# KiCad board UniversalTKL.kicad_pcb
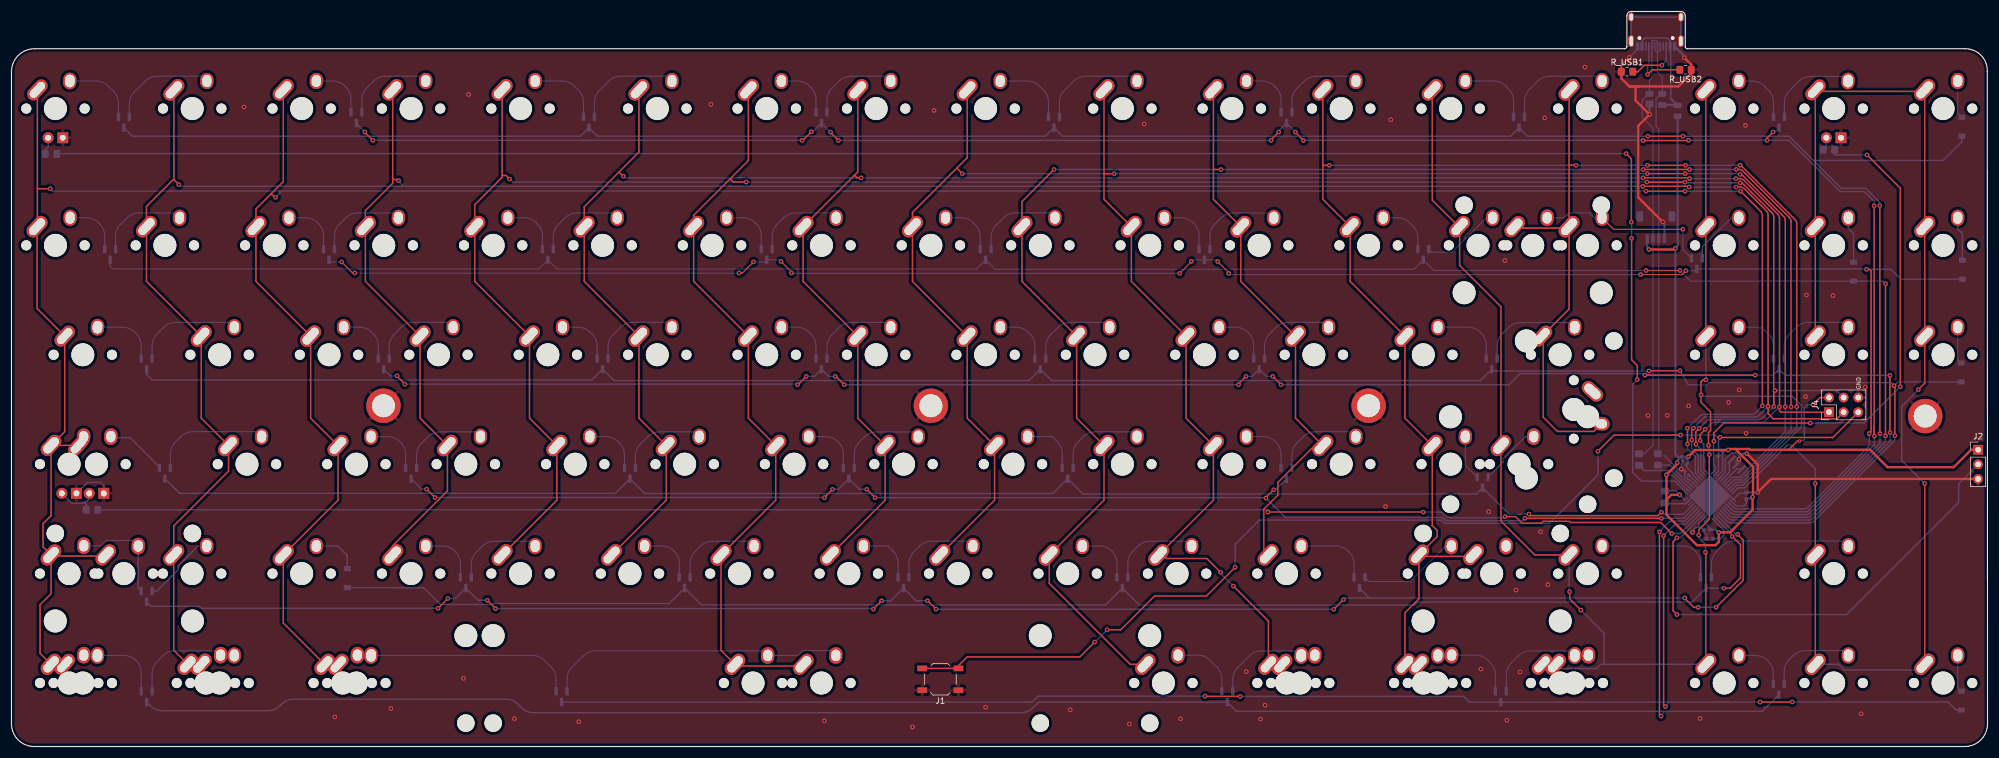
[diagram p0: board, top side]
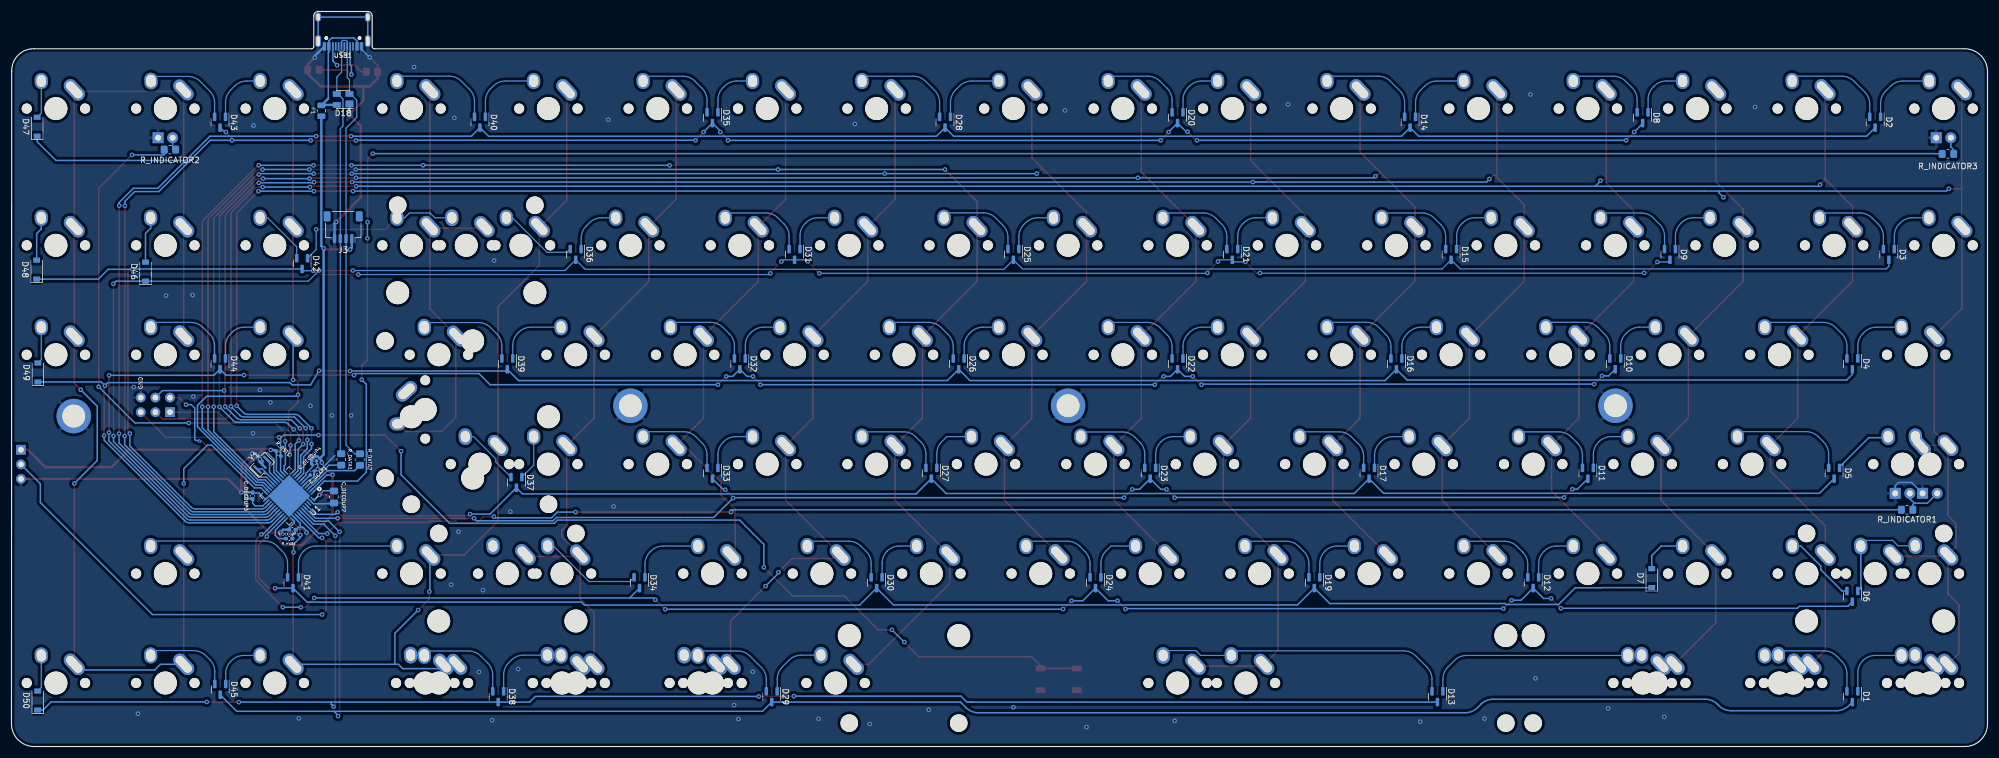
[diagram p1: board, bottom side, seen from below]

Outline 344 x 127.97 mm; copper layers: Top, Bottom. Coordinates in mm from the lower left corner of the outline.
Outline path: 281.21,127.21 arc(281.44,127.75) 281.97,127.97 290.61,127.97 ; 281.21,127.21 281.21,121.86 arc(281.1,121.6) 280.83,121.48 4.09,121.48 arc(1.17,120.31) 0,117.39 0,3.96 arc(1.17,1.15) 4,0 340,0 arc(342.83,1.15) 344,3.96 343.96,117.53 arc(342.84,120.37) 340,121.48 291.75,121.48 arc(291.48,121.6) 291.37,121.86 291.37,127.21 arc(291.15,127.75) 290.61,127.97
Stack: Top 0.035mm / dielectric 1.51mm FR4 er 4.5 / Bottom 0.035mm

## Placement (name value [footprint] x y rotation side)
C_DECOUP1  .1u  [C_0402_1005Metric_Pad0.74x0.62mm_HandSolder]  295.1 37.75 180 bottom
C_DECOUP2  .1u  [C_0805_2012Metric_Pad1.18x1.45mm_HandSolder]  287.86 43.44 270 bottom
C_DECOUP3  .1u  [C_0402_1005Metric_Pad0.74x0.62mm_HandSolder]  302.01 43.64 90 bottom
C_DECOUP4  10u  [C_0402_1005Metric]  291.25 49.39 135 bottom
C_UCAP1  1u  [C_0402_1005Metric]  291.64 47.6 135 bottom
D1  BAV70_Small  [SOT-23]  23.53 8.68 270 bottom
D2  BAV70_Small  [SOT-23]  19.56 108.69 270 bottom
D3  BAV70_Small  [SOT-23]  17.18 85.67 270 bottom
D4  BAV70_Small  [SOT-23]  23.53 66.62 270 bottom
D5  BAV70_Small  [SOT-23]  26.7 47.57 270 bottom
D6  BAV70_Small  [SOT-23]  23.53 26.14 270 bottom
D7  D_Small  [D_SOD-123]  58.45 29.31 90 bottom
D8  BAV70_Small  [SOT-23]  60.04 109.48 270 bottom
D9  BAV70_Small  [SOT-23]  55.28 85.67 270 bottom
D10  BAV70_Small  [SOT-23]  64.8 66.62 270 bottom
D11  BAV70_Small  [SOT-23]  69.57 47.57 270 bottom
D12  BAV70_Small  [SOT-23]  79.09 28.52 270 bottom
D13  BAV70_Small  [SOT-23]  95.76 8.68 270 bottom
D14  BAV70_Small  [SOT-23]  100.52 108.69 270 bottom
D15  BAV70_Small  [SOT-23]  93.38 85.67 270 bottom
D16  BAV70_Small  [SOT-23]  102.9 66.62 270 bottom
D17  BAV70_Small  [SOT-23]  107.67 47.57 270 bottom
D18  PRTR5V0U2X  [SOT-143]  286.26 112.66 0 bottom
D19  BAV70_Small  [SOT-23]  117.19 28.52 270 bottom
D20  BAV70_Small  [SOT-23]  141 109.48 270 bottom
D21  BAV70_Small  [SOT-23]  131.48 85.67 270 bottom
D22  BAV70_Small  [SOT-23]  141 66.62 270 bottom
D23  BAV70_Small  [SOT-23]  145.77 47.57 270 bottom
D24  BAV70_Small  [SOT-23]  155.29 28.52 270 bottom
D25  BAV70_Small  [SOT-23]  169.58 85.67 270 bottom
D26  BAV70_Small  [SOT-23]  179.1 66.62 270 bottom
D27  BAV70_Small  [SOT-23]  183.87 47.57 270 bottom
D28  BAV70_Small  [SOT-23]  181.48 108.69 270 bottom
D29  BAV70_Small  [SOT-23]  211.65 8.68 270 bottom
D30  BAV70_Small  [SOT-23]  193.39 28.52 270 bottom
D31  BAV70_Small  [SOT-23]  207.68 85.67 270 bottom
D32  BAV70_Small  [SOT-23]  217.2 66.62 270 bottom
D33  BAV70_Small  [SOT-23]  221.97 47.57 270 bottom
D34  BAV70_Small  [SOT-23]  234.67 28.52 270 bottom
D35  BAV70_Small  [SOT-23]  221.97 109.48 270 bottom
D36  BAV70_Small  [SOT-23]  245.78 85.67 270 bottom
D37  BAV70_Small  [SOT-23]  256.1 45.98 270 bottom
D38  BAV70_Small  [SOT-23]  259.27 8.68 270 bottom
D39  BAV70_Small  [SOT-23]  257.68 66.62 270 bottom
D40  BAV70_Small  [SOT-23]  262.45 108.69 270 bottom
D41  BAV70_Small  [SOT-23]  294.99 28.52 270 bottom
D42  BAV70_Small  [SOT-23]  293.4 84.08 270 bottom
D43  BAV70_Small  [SOT-23]  307.69 108.69 270 bottom
D44  BAV70_Small  [SOT-23]  307.69 66.62 270 bottom
D45  BAV70_Small  [SOT-23]  307.66 9.94 270 bottom
D46  D_Small  [D_SOD-123]  320.67 82.67 90 bottom
D47  D_Small  [D_SOD-123]  339.53 107.91 90 bottom
D48  D_Small  [D_SOD-123]  339.62 83.02 90 bottom
D49  D_Small  [D_SOD-123]  339.4 65.12 90 bottom
D50  D_Small  [D_SOD-123]  339.44 8 90 bottom
F1  Polyfuse_Small  [Fuse_0805_2012Metric]  290.06 110.68 270 bottom
J1  Reset Jumper  [SW_SPST_TL3342]  161.7 11.7 180 top
J2  CONN_RGB  [PinHeader_1x03_P2.54mm_Vertical]  342.36 51.67 0 top
J3  CONN_DB  [JST_SH_SM04B-SRSS-TB_1x04-1MP_P1.00mm_Horizontal]  286.26 90.43 0 bottom
J4  ISP_Breakout  [PinHeader_2x03_P2.54mm_Vertical]  316.41 58.21 90 top
MX1  MX-LED  [MX-1.25U]  10.03 49.16 0 top
MX2  MX-NoLED  [MX-1.25U-NoLED]  10.03 30.11 0 top
MX3  MX-NoLED  [MX-1.25U-NoLED]  10.03 11.06 0 top
MX4  MX-LED  [MX-1U]  7.65 111.07 0 top
MX5  MX-NoLED  [MX-1U-NoLED]  7.65 87.26 0 top
MX6  MX-NoLED  [MX-1.5U-NoLED]  12.42 68.21 0 top
MX7  MX-LED  [MX-1.75U]  14.8 49.16 0 top
MX8  MX-NoLED  [MX-2.25U-NoLED]  19.56 30.11 0 top
MX9  MX-NoLED  [MX-1.5U-NoLED]  12.42 11.06 0 top
MX10  MX-NoLED  [MX-1.25U-NoLED]  33.85 11.06 0 top
MX11  MX-NoLED  [MX-1U-NoLED]  31.47 111.07 0 top
MX12  MX-NoLED  [MX-1U-NoLED]  26.7 87.26 0 top
MX13  MX-NoLED  [MX-1U-NoLED]  36.23 68.21 0 top
MX14  MX-NoLED  [MX-1U-NoLED]  40.99 49.16 0 top
MX15  MX-NoLED  [MX-1U-NoLED]  31.44 30.11 0 top
MX16  MX-NoLED  [MX-1U-NoLED]  36.23 11.06 0 top
MX17  MX-NoLED  [MX-1.25U-NoLED]  57.66 11.06 0 top
MX18  MX-NoLED  [MX-1U-NoLED]  50.52 111.07 0 top
MX19  MX-NoLED  [MX-1U-NoLED]  45.75 87.26 0 top
MX20  MX-NoLED  [MX-1U-NoLED]  55.28 68.21 0 top
MX21  MX-NoLED  [MX-1U-NoLED]  60.04 49.16 0 top
MX22  MX-NoLED  [MX-1U-NoLED]  50.52 30.11 0 top
MX23  MX-NoLED  [MX-1.5U-NoLED]  60.04 11.06 0 top
MX24  MX-NoLED  [MX-1U-NoLED]  69.57 111.07 0 top
MX25  MX-NoLED  [MX-1U-NoLED]  64.8 87.26 0 top
MX26  MX-NoLED  [MX-1U-NoLED]  74.33 68.21 0 top
MX27  MX-NoLED  [MX-1U-NoLED]  79.09 49.16 0 top
MX28  MX-NoLED  [MX-1U-NoLED]  69.57 30.11 0 top
MX29  MX-NoLED  [MX-1U-NoLED]  88.62 111.07 0 top
MX30  MX-NoLED  [MX-1U-NoLED]  83.85 87.26 0 top
MX31  MX-NoLED  [MX-1U-NoLED]  93.38 68.21 0 top
MX32  MX-NoLED  [MX-1U-NoLED]  98.14 49.16 0 top
MX33  MX-NoLED  [MX-1U-NoLED]  88.62 30.11 0 top
MX34  MX-NoLED  [MX-1U-NoLED]  112.43 111.07 0 top
MX35  MX-NoLED  [MX-1U-NoLED]  102.9 87.26 0 top
MX36  MX-NoLED  [MX-1U-NoLED]  112.43 68.21 0 top
MX37  MX-NoLED  [MX-1U-NoLED]  117.19 49.16 0 top
MX38  MX-NoLED  [MX-1U-NoLED]  107.67 30.11 0 top
MX39  MX-NoLED  [MX-6.25U-ReversedStabilizers-NoLED]  129.1 11.06 0 top
MX40  MX-NoLED  [MX-1U-NoLED]  131.48 111.07 0 top
MX41  MX-NoLED  [MX-1U-NoLED]  121.95 87.26 0 top
MX42  MX-NoLED  [MX-1U-NoLED]  131.48 68.21 0 top
MX43  MX-NoLED  [MX-1U-NoLED]  136.24 49.16 0 top
MX44  MX-NoLED  [MX-1U-NoLED]  126.72 30.11 0 top
MX45  MX-NoLED  [MX-7U-ReversedStabilizers-NoLED]  141 11.06 0 top
MX46  MX-NoLED  [MX-1U-NoLED]  150.53 111.07 0 top
MX47  MX-NoLED  [MX-1U-NoLED]  141 87.26 0 top
MX48  MX-NoLED  [MX-1U-NoLED]  150.53 68.21 0 top
MX49  MX-NoLED  [MX-1U-NoLED]  155.29 49.16 0 top
MX50  MX-NoLED  [MX-1U-NoLED]  145.77 30.11 0 top
MX51  MX-NoLED  [MX-1U-NoLED]  169.58 111.07 0 top
MX52  MX-NoLED  [MX-1U-NoLED]  160.05 87.26 0 top
MX53  MX-NoLED  [MX-1U-NoLED]  169.58 68.21 0 top
MX54  MX-NoLED  [MX-1U-NoLED]  174.34 49.16 0 top
MX55  MX-NoLED  [MX-1U-NoLED]  164.82 30.11 0 top
MX56  MX-NoLED  [MX-1U-NoLED]  179.1 87.26 0 top
MX57  MX-NoLED  [MX-1U-NoLED]  188.63 68.21 0 top
MX58  MX-NoLED  [MX-1U-NoLED]  193.39 49.16 0 top
MX59  MX-NoLED  [MX-1U-NoLED]  183.87 30.11 0 top
MX60  MX-NoLED  [MX-1.25U-NoLED]  200.53 11.06 0 top
MX61  MX-NoLED  [MX-1.25U-NoLED]  224.35 11.06 0 top
MX62  MX-NoLED  [MX-1U-NoLED]  193.39 111.07 0 top
MX63  MX-NoLED  [MX-1U-NoLED]  198.15 87.26 0 top
MX64  MX-NoLED  [MX-1U-NoLED]  207.68 68.21 0 top
MX65  MX-NoLED  [MX-1U-NoLED]  212.44 49.16 0 top
MX66  MX-NoLED  [MX-1U-NoLED]  202.92 30.11 0 top
MX67  MX-NoLED  [MX-1.5U-NoLED]  221.97 11.06 0 top
MX68  MX-NoLED  [MX-1U-NoLED]  212.44 111.07 0 top
MX69  MX-NoLED  [MX-1U-NoLED]  217.2 87.26 0 top
MX70  MX-NoLED  [MX-1U-NoLED]  226.73 68.21 0 top
MX71  MX-NoLED  [MX-1U-NoLED]  231.49 49.16 0 top
MX72  MX-NoLED  [MX-1U-NoLED]  221.97 30.11 0 top
MX73  MX-NoLED  [MX-1.25U-NoLED]  248.16 11.06 0 top
MX74  MX-NoLED  [MX-1U-NoLED]  231.49 111.07 0 top
MX75  MX-NoLED  [MX-1U-NoLED]  236.25 87.26 0 top
MX76  MX-NoLED  [MX-1U-NoLED]  245.78 68.21 0 top
MX77  MX-NoLED  [MX-1U-NoLED]  250.54 49.16 0 top
MX78  MX-NoLED  [MX-1.75U_NoLED]  248.16 30.11 0 top
MX79  MX-NoLED  [MX-1U-NoLED]  245.78 11.06 0 top
MX80  MX-NoLED  [MX-ISO-ReversedStabilizers]  271.97 58.68 0 top
MX81  MX-NoLED  [MX-1.25U-NoLED]  271.97 11.06 0 top
MX82  MX-NoLED  [MX-1U-NoLED]  250.54 111.07 0 top
MX83  MX-NoLED  [MX-1U-NoLED]  255.3 87.26 0 top
MX84  MX-NoLED  [MX-2.25U-ReversedStabilizers-NoLED]  262.45 49.16 0 top
MX85  MX-NoLED  [MX-1U-NoLED]  274.35 30.11 0 top
MX86  MX-NoLED  [MX-1.5U-NoLED]  269.59 11.06 0 top
MX87  MX-NoLED  [MX-1U-NoLED]  274.35 87.26 0 top
MX88  MX-NoLED  [MX-1U-NoLED]  274.35 111.07 0 top
MX89  MX-NoLED  [MX-2U-NoLED]  264.83 87.26 0 top
MX90  MX-NoLED  [MX-1.5U-NoLED]  269.59 68.21 0 top
MX91  MX-NoLED  [MX-1U-NoLED]  298.17 111.07 0 top
MX92  MX-NoLED  [MX-1U-NoLED]  298.17 87.26 0 top
MX93  MX-NoLED  [MX-1U-NoLED]  298.17 68.21 0 top
MX94  MX-NoLED  [MX-1U-NoLED]  298.17 11.06 0 top
MX95  MX-LED  [MX-1U]  317.22 111.07 0 top
MX96  MX-NoLED  [MX-1U-NoLED]  317.22 87.26 0 top
MX97  MX-NoLED  [MX-1U-NoLED]  317.22 68.21 0 top
MX98  MX-NoLED  [MX-1U-NoLED]  317.22 30.11 0 top
MX99  MX-NoLED  [MX-1U-NoLED]  317.22 11.06 0 top
MX100  MX-NoLED  [MX-1U-NoLED]  336.27 111.07 0 top
MX101  MX-NoLED  [MX-1U-NoLED]  336.27 87.26 0 top
MX102  MX-NoLED  [MX-1U-NoLED]  336.27 68.21 0 top
MX103  MX-NoLED  [MX-1U-NoLED]  336.27 11.06 0 top
MX104  MX-NoLED  [MX-2.75U-NoLED]  257.68 30.11 0 top
NOREF  -  [unnamed]  333.46 57.03 0 top
NOREF#2  -  [unnamed#2]  64.76 59.33 0 top
NOREF#3  -  [unnamed#2]  236.26 59.33 0 top
NOREF#4  -  [unnamed#2]  160.06 59.33 0 top
R_DATA1  22  [R_0805_2012Metric_Pad1.20x1.40mm_HandSolder]  286.6 49.98 270 bottom
R_DATA2  22  [R_0805_2012Metric_Pad1.20x1.40mm_HandSolder]  283.33 49.96 270 bottom
R_HWB1  10k  [C_0402_1005Metric_Pad0.74x0.62mm_HandSolder]  295.67 36.19 180 bottom
R_INDICATOR1  220  [R_0805_2012Metric_Pad1.20x1.40mm_HandSolder]  14 41.22 180 bottom
R_INDICATOR2  220  [R_0805_2012Metric_Pad1.20x1.40mm_HandSolder]  316.42 103.93 180 bottom
R_INDICATOR3  220  [R_0805_2012Metric_Pad1.20x1.40mm_HandSolder]  6.89 103.17 180 bottom
R_RST1  10k  [C_0402_1005Metric_Pad0.74x0.62mm_HandSolder]  297.52 50.99 225 bottom
R_USB1  5k1  [R_0805_2012Metric_Pad1.20x1.40mm_HandSolder]  281.25 117.48 0 top
R_USB2  5k1  [R_0805_2012Metric_Pad1.20x1.40mm_HandSolder]  291.43 117.82 180 top
U1  ATmega32U4-M  [QFN-44-1EP_7x7mm_P0.5mm_EP5.2x5.2mm]  295.66 43.63 315 bottom
USB1  HRO-TYPE-C-31-M-12  [HRO-TYPE-C-31-M-12-Assembly]  286.3 129.59 0 bottom
Y1  Resonator_Small  [Resonator_SMD_Murata_CSTxExxV-3Pin_3.0x1.1mm]  300.33 49.08 135 bottom

## Footprints (pads in the part's own frame, mm; a bottom-side part is the same pattern mirrored in y, then rotated)
C_0402_1005Metric
  rrect 0.56x0.62 smd: 1(-0.48,0) 2(0.48,0)
C_0402_1005Metric_Pad0.74x0.62mm_HandSolder
  rrect 0.735x0.62 smd: 1(-0.568,0) 2(0.568,0)
C_0805_2012Metric_Pad1.18x1.45mm_HandSolder
  rrect 1.175x1.45 smd: 1(-1.038,0) 2(1.038,0)
D_SOD-123
  rect 0.9x1.2 smd: 1(-1.65,0) 2(1.65,0)
Fuse_0805_2012Metric
  rrect 0.975x1.4 smd: 1(-0.938,0) 2(0.938,0)
HRO-TYPE-C-31-M-12-Assembly
  round 0.65 hole 0.65 unplated: (-2.89,6.25) (2.89,6.25)
  rect 0.6x1.45 smd: 1(-3.225,7.695) 2(-2.45,7.695) 11(2.45,7.695) 12(3.225,7.695)
  rect 0.3x1.45 smd: 3(-1.75,7.695) 4(-1.25,7.695) 5(-0.75,7.695) 6(-0.25,7.695) 7(0.25,7.695) 8(0.75,7.695) 9(1.25,7.695) 10(1.75,7.695)
  oval 1x1.6 hole 0.6x1.2: 13(-4.32,2.6) 13(4.32,2.6)
  oval 1x2.1 hole 0.6x1.7: 13(-4.32,6.78) 13(4.32,6.78)
JST_SH_SM04B-SRSS-TB_1x04-1MP_P1.00mm_Horizontal
  rrect 0.6x1.55 smd: 1(-1.5,2) 2(-0.5,2) 3(0.5,2) 4(1.5,2)
  rrect 1.2x1.8 smd: MP(-2.8,-1.875) MP(2.8,-1.875)
MX-1.5U-NoLED
  round 1.75 hole 1.75 unplated: (-5.08,0) (5.08,0)
  round 3.988 hole 3.988 unplated: (0,0)
  oval 4.2x2.2 hole 3.3x1.4 rot 47: 1(-3.15,3.25)
  oval 2.9x2.3 hole 2.2x1.7 rot 87: 2(2.55,4.8)
MX-1.25U
  round 1.75 hole 1.75 unplated: (-5.08,0) (5.08,0)
  round 3.988 hole 3.988 unplated: (0,0)
  oval 4.2x2.3 hole 3.3x1.6 rot 47: 1(-3.15,3.275)
  oval 2.9x2.3 hole 2x1.6 rot 87: 2(2.525,4.775)
  round 1.905 hole 1.04: 3(-1.27,-5.08)
  rect 1.905x1.905 hole 1.04: 4(1.27,-5.08)
MX-1.25U-NoLED
  round 1.75 hole 1.75 unplated: (-5.08,0) (5.08,0)
  round 3.988 hole 3.988 unplated: (0,0)
  oval 4.2x2.3 hole 3.3x1.5 rot 47: 1(-3.15,3.25)
  oval 2.9x2.3 hole 2x1.6 rot 87: 2(2.55,4.85)
MX-1.75U
  round 1.75 hole 1.75 unplated: (-5.08,0) (5.08,0)
  round 3.988 hole 3.988 unplated: (0,0)
  oval 4.2x2.2 hole 3.3x1.4 rot 47: 1(-3.15,3.25)
  oval 2.9x2.3 hole 2x1.6 rot 87: 2(2.5,4.8)
  round 1.905 hole 1.04: 3(-1.27,-5.08)
  rect 1.905x1.905 hole 1.04: 4(1.27,-5.08)
MX-1.75U_NoLED
  round 1.75 hole 1.75 unplated: (-5.08,0) (5.08,0)
  round 3.988 hole 3.988 unplated: (0,0)
  oval 4.2x2.2 hole 3.3x1.4 rot 47: 1(-3.15,3.25)
  oval 2.9x2.3 hole 2x1.6 rot 87: 2(2.5,4.8)
MX-1U
  round 1.75 hole 1.75 unplated: (-5.08,0) (5.08,0)
  round 3.988 hole 3.988 unplated: (0,0)
  oval 4.2x2.2 hole 3.3x1.4 rot 47: 1(-3.15,3.25)
  oval 2.9x2.3 hole 2.2x1.7 rot 87: 2(2.5,4.8)
  round 1.905 hole 1.04: 3(-1.27,-5.08)
  rect 1.905x1.905 hole 1.04: 4(1.27,-5.08)
MX-1U-NoLED
  round 1.75 hole 1.75 unplated: (-5.08,0) (5.08,0)
  round 3.988 hole 3.988 unplated: (0,0)
  oval 4.3x2.3 hole 3.5x1.5 rot 47: 1(-3.2,3.25)
  oval 2.8x2.3 hole 2.1x1.6 rot 88: 2(2.55,4.8)
MX-2.25U-NoLED
  round 3.048 hole 3.048 unplated: (-11.938,6.985) (11.938,6.985)
  round 3.988 hole 3.988 unplated: (-11.938,-8.255) (0,0) (11.938,-8.255)
  round 1.75 hole 1.75 unplated: (-5.08,0) (5.08,0)
  oval 4.2x2.3 hole 3.3x1.6 rot 47: 1(-3.15,3.25)
  oval 2.9x2.3 hole 2x1.6 rot 87: 2(2.5,4.8)
MX-2.25U-ReversedStabilizers-NoLED
  round 3.988 hole 3.988 unplated: (-11.938,8.255) (0,0) (11.938,8.255)
  round 3.048 hole 3.048 unplated: (-11.938,-6.985) (11.938,-6.985)
  round 1.75 hole 1.75 unplated: (-5.08,0) (5.08,0)
  oval 4.2x2.3 hole 3.3x1.6 rot 47: 1(-3.15,3.25)
  oval 2.9x2.3 hole 2x1.6 rot 87: 2(2.55,4.8)
MX-2.75U-NoLED
  round 3.048 hole 3.048 unplated: (-11.938,6.985) (11.938,6.985)
  round 3.988 hole 3.988 unplated: (-11.938,-8.255) (0,0) (11.938,-8.255)
  round 1.75 hole 1.75 unplated: (-5.08,0) (5.08,0)
  oval 4.2x2.3 hole 3.3x1.6 rot 47: 1(-3.15,3.3)
  oval 2.9x2.3 hole 2x1.6 rot 87: 2(2.5,4.8)
MX-2U-NoLED
  round 3.048 hole 3.048 unplated: (-11.938,6.985) (11.938,6.985)
  round 3.988 hole 3.988 unplated: (-11.938,-8.255) (0,0) (11.938,-8.255)
  round 1.75 hole 1.75 unplated: (-5.08,0) (5.08,0)
  oval 4.2x2.3 hole 3.3x1.6 rot 47: 1(-3.15,3.25)
  oval 2.9x2.3 hole 2x1.6 rot 87: 2(2.5,4.8)
MX-6.25U-ReversedStabilizers-NoLED
  round 3.988 hole 3.988 unplated: (-50,8.255) (0,0) (50,8.255)
  round 3.048 hole 3.048 unplated: (-50,-6.985) (50,-6.985)
  round 1.75 hole 1.75 unplated: (-5.08,0) (5.08,0)
  oval 4.2x2.3 hole 3.3x1.6 rot 47: 1(-3.15,3.25)
  oval 2.9x2.3 hole 2x1.6 rot 87: 2(2.55,4.8)
MX-7U-ReversedStabilizers-NoLED
  round 3.988 hole 3.988 unplated: (-57.15,8.255) (0,0) (57.15,8.255)
  round 3.048 hole 3.048 unplated: (-57.15,-6.985) (57.15,-6.985)
  round 1.75 hole 1.75 unplated: (-5.08,0) (5.08,0)
  oval 4.2x2.3 hole 3.3x1.6 rot 47: 1(-3.15,3.25)
  oval 2.9x2.3 hole 2x1.6 rot 87: 2(2.5,4.8)
MX-ISO-ReversedStabilizers
  round 3.988 hole 3.988 unplated: (-8.255,11.938) (-8.255,-11.938) (0,0)
  round 1.702 hole 1.702 unplated: (0,5.08) (0,-5.08)
  round 3.048 hole 3.048 unplated: (6.985,11.938) (6.985,-11.938)
  oval 2.9x2.3 hole 2x1.6 rot 177: 1(4.8,-2.5)
  oval 4.2x2.3 hole 3.3x1.6 rot 138: 2(3.25,3.15)
PinHeader_1x03_P2.54mm_Vertical
  rect 1.7x1.7 hole 1: 1(0,0)
  oval 1.7x1.7 hole 1: 2(0,-2.54) 3(0,-5.08)
PinHeader_2x03_P2.54mm_Vertical
  rect 1.7x1.7 hole 1: 1(0,0)
  oval 1.7x1.7 hole 1: 2(2.54,0) 3(0,-2.54) 4(2.54,-2.54) 5(0,-5.08) 6(2.54,-5.08)
QFN-44-1EP_7x7mm_P0.5mm_EP5.2x5.2mm
  rrect 1.05x1.05 smd: (-1.95,-1.95) (-1.95,-0.65) (-1.95,0.65) (-1.95,1.95) (-0.65,-1.95) (-0.65,-0.65) (-0.65,0.65) (-0.65,1.95) (0.65,-1.95) (0.65,-0.65) (0.65,0.65) (0.65,1.95) (1.95,-1.95) (1.95,-0.65) (1.95,0.65) (1.95,1.95)
  rrect 1.075x0.25 smd: 1(-3.337,2.5) 2(-3.337,2) 3(-3.337,1.5) 4(-3.337,1) 5(-3.337,0.5) 6(-3.337,0) 7(-3.337,-0.5) 8(-3.337,-1) 9(-3.337,-1.5) 10(-3.337,-2) 11(-3.337,-2.5) 23(3.337,-2.5) 24(3.337,-2) 25(3.337,-1.5) 26(3.337,-1) 27(3.337,-0.5) 28(3.337,0) 29(3.337,0.5) 30(3.337,1) 31(3.337,1.5) 32(3.337,2) 33(3.337,2.5)
  rrect 0.25x1.075 smd: 12(-2.5,-3.337) 13(-2,-3.337) 14(-1.5,-3.337) 15(-1,-3.337) 16(-0.5,-3.337) 17(0,-3.337) 18(0.5,-3.337) 19(1,-3.337) 20(1.5,-3.337) 21(2,-3.337) 22(2.5,-3.337) 34(2.5,3.337) 35(2,3.337) 36(1.5,3.337) 37(1,3.337) 38(0.5,3.337) 39(0,3.337) 40(-0.5,3.337) 41(-1,3.337) 42(-1.5,3.337) 43(-2,3.337) 44(-2.5,3.337)
  rect 5.2x5.2 smd: 45(0,0)
R_0805_2012Metric_Pad1.20x1.40mm_HandSolder
  rrect 1.2x1.4 smd: 1(-1,0) 2(1,0)
Resonator_SMD_Murata_CSTxExxV-3Pin_3.0x1.1mm
  rect 0.4x1.9 smd: 1(-1.2,0) 2(0,0) 3(1.2,0)
SOT-23
  rrect 1.475x0.6 smd: 1(-0.938,0.95) 2(-0.938,-0.95) 3(0.938,0)
SOT-143
  rect 1.4x1.2 smd: 1(-1.1,0.77)
  rect 1.4x1 smd: 2(-1.1,-0.95) 3(1.1,-0.95) 4(1.1,0.95)
SW_SPST_TL3342
  rect 1.7x1 smd: 1(-3.15,1.9) 1(3.15,1.9) 2(-3.15,-1.9) 2(3.15,-1.9)
unnamed
  round 6 hole 4: 1(-0.3,0.5)
unnamed#2
  round 6 hole 4: 1(0,0)

## Nets
+5V: C_DECOUP1.1 C_DECOUP2.1 C_DECOUP3.1 C_DECOUP4.1 F1.2 J2.1 J3.1 J4.2 R_RST1.1 U1.2 U1.7 U1.14 U1.24 U1.34 U1.44
GND: C_DECOUP1.2 C_DECOUP2.2 C_DECOUP3.2 C_DECOUP4.2 C_UCAP1.2 D18.1 J1.1 J2.3 J3.4 J4.6 MX1.4 MX4.4 MX7.4 MX95.4 NOREF.1 NOREF#2.1 NOREF#3.1 NOREF#4.1 R_HWB1.2 R_USB1.1 R_USB2.1 U1.5 U1.15 U1.23 U1.35 U1.43 U1.45 USB1.1 USB1.12 Y1.2
VCC: D18.4 F1.1 USB1.2 USB1.11
CAPS: MX1.3 MX7.3 R_INDICATOR1.2
col0: MX1.1 MX2.1 MX3.1 MX4.1 MX5.1 MX6.1 MX7.1 MX8.1 MX9.1 MX17.1 MX18.1 MX19.1 MX20.1 MX21.1 MX22.1 MX23.1 U1.8
col1: J4.3 MX10.1 MX11.1 MX12.1 MX13.1 MX14.1 MX15.1 MX16.1 MX24.1 MX25.1 MX26.1 MX27.1 MX28.1 U1.9
col2: J4.4 MX29.1 MX30.1 MX31.1 MX32.1 MX33.1 MX39.1 MX40.1 MX41.1 MX42.1 MX43.1 MX44.1 MX45.1 U1.10
col3: J4.1 MX34.1 MX35.1 MX36.1 MX37.1 MX38.1 MX46.1 MX47.1 MX48.1 MX49.1 MX50.1 U1.11
col4: MX51.1 MX52.1 MX53.1 MX54.1 MX55.1 MX61.1 MX62.1 MX63.1 MX64.1 MX65.1 MX66.1 MX67.1 U1.18
col5: MX56.1 MX57.1 MX58.1 MX59.1 MX60.1 MX68.1 MX69.1 MX70.1 MX71.1 MX72.1 U1.19
col6: MX73.1 MX74.1 MX75.1 MX76.1 MX77.1 MX78.1 MX79.1 MX80.1 MX87.1 MX88.1 MX89.1 MX90.1 MX104.1 U1.20
col7: MX81.1 MX82.1 MX83.1 MX84.1 MX85.1 MX86.1 MX91.1 MX92.1 MX93.1 MX94.1 U1.21
col8: MX95.1 MX96.1 MX97.1 MX98.1 MX99.1 MX100.1 MX101.1 MX102.1 MX103.1 U1.22
D+: D18.3 J3.3 R_DATA1.1 USB1.6 USB1.8
D-: D18.2 J3.2 R_DATA2.1 USB1.5 USB1.7
layer: MX4.3 R_INDICATOR3.2
lock: R_INDICATOR1.1 U1.37
lock2: R_INDICATOR2.1 U1.12
lock3: R_INDICATOR3.1 U1.1
rgbout: J2.2 U1.36
row0: D2.3 D14.3 D28.3 D40.3 D47.1 U1.27
row1: D8.3 D20.3 D35.3 D43.3 U1.26
row2: D3.3 D15.3 D25.3 D36.3 D46.1 U1.28
row3: D9.3 D21.3 D31.3 D42.3 D48.1 U1.25
row4: D4.3 D16.3 D26.3 D39.3 D49.1 U1.30
row5: D10.3 D22.3 D32.3 D44.3 U1.29
row6: D5.3 D17.3 D27.3 D37.3 U1.41
row7: D11.3 D23.3 D33.3 U1.40
row8: D6.3 D12.3 D24.3 D34.3 U1.31
row9: D7.1 D19.3 D30.3 D41.3 U1.32
row10: D1.3 D29.3 D45.3 U1.39
row11: D13.3 D38.3 D50.1 U1.38
RST: J1.2 J4.5 R_RST1.2 U1.13
scroll: MX95.3 R_INDICATOR2.2
Net-(C_UCAP1-Pad1): C_UCAP1.1 U1.6
Net-(D1-Pad1): D1.1 MX3.2 MX9.2
Net-(D1-Pad2): D1.2 MX10.2 MX16.2
Net-(D2-Pad1): D2.1 MX4.2
Net-(D2-Pad2): D2.2 MX11.2
Net-(D3-Pad1): D3.1 MX5.2
Net-(D3-Pad2): D3.2 MX12.2
Net-(D4-Pad1): D4.1 MX6.2
Net-(D4-Pad2): D4.2 MX13.2
Net-(D5-Pad1): D5.1 MX1.2 MX7.2
Net-(D5-Pad2): D5.2 MX14.2
Net-(D6-Pad1): D6.1 MX2.2 MX8.2
Net-(D6-Pad2): D6.2 MX15.2
Net-(D7-Pad2): D7.2 MX22.2
Net-(D8-Pad1): D8.1 MX18.2
Net-(D8-Pad2): D8.2 MX24.2
Net-(D9-Pad1): D9.1 MX19.2
Net-(D9-Pad2): D9.2 MX25.2
Net-(D10-Pad1): D10.1 MX20.2
Net-(D10-Pad2): D10.2 MX26.2
Net-(D11-Pad1): D11.1 MX21.2
Net-(D11-Pad2): D11.2 MX27.2
Net-(D12-Pad1): D12.1 MX28.2
Net-(D12-Pad2): D12.2 MX33.2
Net-(D13-Pad1): D13.1 MX17.2 MX23.2
Net-(D13-Pad2): D13.2 MX39.2 MX45.2
Net-(D14-Pad1): D14.1 MX29.2
Net-(D14-Pad2): D14.2 MX34.2
Net-(D15-Pad1): D15.1 MX30.2
Net-(D15-Pad2): D15.2 MX35.2
Net-(D16-Pad1): D16.1 MX31.2
Net-(D16-Pad2): D16.2 MX36.2
Net-(D17-Pad1): D17.1 MX32.2
Net-(D17-Pad2): D17.2 MX37.2
Net-(D19-Pad1): D19.1 MX38.2
Net-(D19-Pad2): D19.2 MX44.2
Net-(D20-Pad1): D20.1 MX40.2
Net-(D20-Pad2): D20.2 MX46.2
Net-(D21-Pad1): D21.1 MX41.2
Net-(D21-Pad2): D21.2 MX47.2
Net-(D22-Pad1): D22.1 MX42.2
Net-(D22-Pad2): D22.2 MX48.2
Net-(D23-Pad1): D23.1 MX43.2
Net-(D23-Pad2): D23.2 MX49.2
Net-(D24-Pad1): D24.1 MX50.2
Net-(D24-Pad2): D24.2 MX55.2
Net-(D25-Pad1): D25.1 MX52.2
Net-(D25-Pad2): D25.2 MX56.2
Net-(D26-Pad1): D26.1 MX53.2
Net-(D26-Pad2): D26.2 MX57.2
Net-(D27-Pad1): D27.1 MX54.2
Net-(D27-Pad2): D27.2 MX58.2
Net-(D28-Pad1): D28.1 MX51.2
Net-(D28-Pad2): D28.2 MX62.2
Net-(D29-Pad1): D29.1 MX60.2
Net-(D29-Pad2): D29.2 MX61.2 MX67.2
Net-(D30-Pad1): D30.1 MX59.2
Net-(D30-Pad2): D30.2 MX66.2
Net-(D31-Pad1): D31.1 MX63.2
Net-(D31-Pad2): D31.2 MX69.2
Net-(D32-Pad1): D32.1 MX64.2
Net-(D32-Pad2): D32.2 MX70.2
Net-(D33-Pad1): D33.1 MX65.2
Net-(D33-Pad2): D33.2 MX71.2 MX104.2
Net-(D34-Pad1): D34.1 MX72.2
Net-(D34-Pad2): D34.2 MX78.2
Net-(D35-Pad1): D35.1 MX68.2
Net-(D35-Pad2): D35.2 MX74.2
Net-(D36-Pad1): D36.1 MX75.2
Net-(D36-Pad2): D36.2 MX80.2 MX83.2
Net-(D37-Pad1): D37.1 MX77.2
Net-(D37-Pad2): D37.2 MX84.2
Net-(D38-Pad1): D38.1 MX73.2 MX79.2
Net-(D38-Pad2): D38.2 MX81.2 MX86.2
Net-(D39-Pad1): D39.1 MX76.2
Net-(D39-Pad2): D39.2 MX90.2
Net-(D40-Pad1): D40.1 MX82.2
Net-(D40-Pad2): D40.2 MX88.2
Net-(D41-Pad1): D41.1 MX85.2
Net-(D41-Pad2): D41.2 MX98.2
Net-(D42-Pad1): D42.1 MX87.2 MX89.2
Net-(D42-Pad2): D42.2 MX92.2
Net-(D43-Pad1): D43.1 MX91.2
Net-(D43-Pad2): D43.2 MX95.2
Net-(D44-Pad1): D44.1 MX93.2
Net-(D44-Pad2): D44.2 MX97.2
Net-(D45-Pad1): D45.1 MX94.2
Net-(D45-Pad2): D45.2 MX99.2
Net-(D46-Pad2): D46.2 MX96.2
Net-(D47-Pad2): D47.2 MX100.2
Net-(D48-Pad2): D48.2 MX101.2
Net-(D49-Pad2): D49.2 MX102.2
Net-(D50-Pad2): D50.2 MX103.2
Net-(R_DATA1-Pad2): R_DATA1.2 U1.4
Net-(R_DATA2-Pad2): R_DATA2.2 U1.3
Net-(R_HWB1-Pad1): R_HWB1.1 U1.33
Net-(R_USB1-Pad2): R_USB1.2 USB1.10
Net-(R_USB2-Pad2): R_USB2.2 USB1.4
Net-(U1-Pad16): U1.16 Y1.3
Net-(U1-Pad17): U1.17 Y1.1

Pads without a net: J3 MP; U1 42; USB1 3 9 13

## Via types
v1: diameter 0.8, hole 0.4, Top to Bottom, 242 vias
v2: diameter 0.6, hole 0.3, Top to Bottom, 1 via